# Altium PCB ImmPCB2.PCBDOC (part 3 of 4)
Units mm, origin at the board's own origin, x right, y up, seen from the top; angles counter-clockwise.
Board outline 140.04 x 97 mm, 4 copper layers (Top Layer, InternalPlane1, InternalPlane2, Bottom Layer); 374 components, 334 nets, 1652 pads, 438 vias.
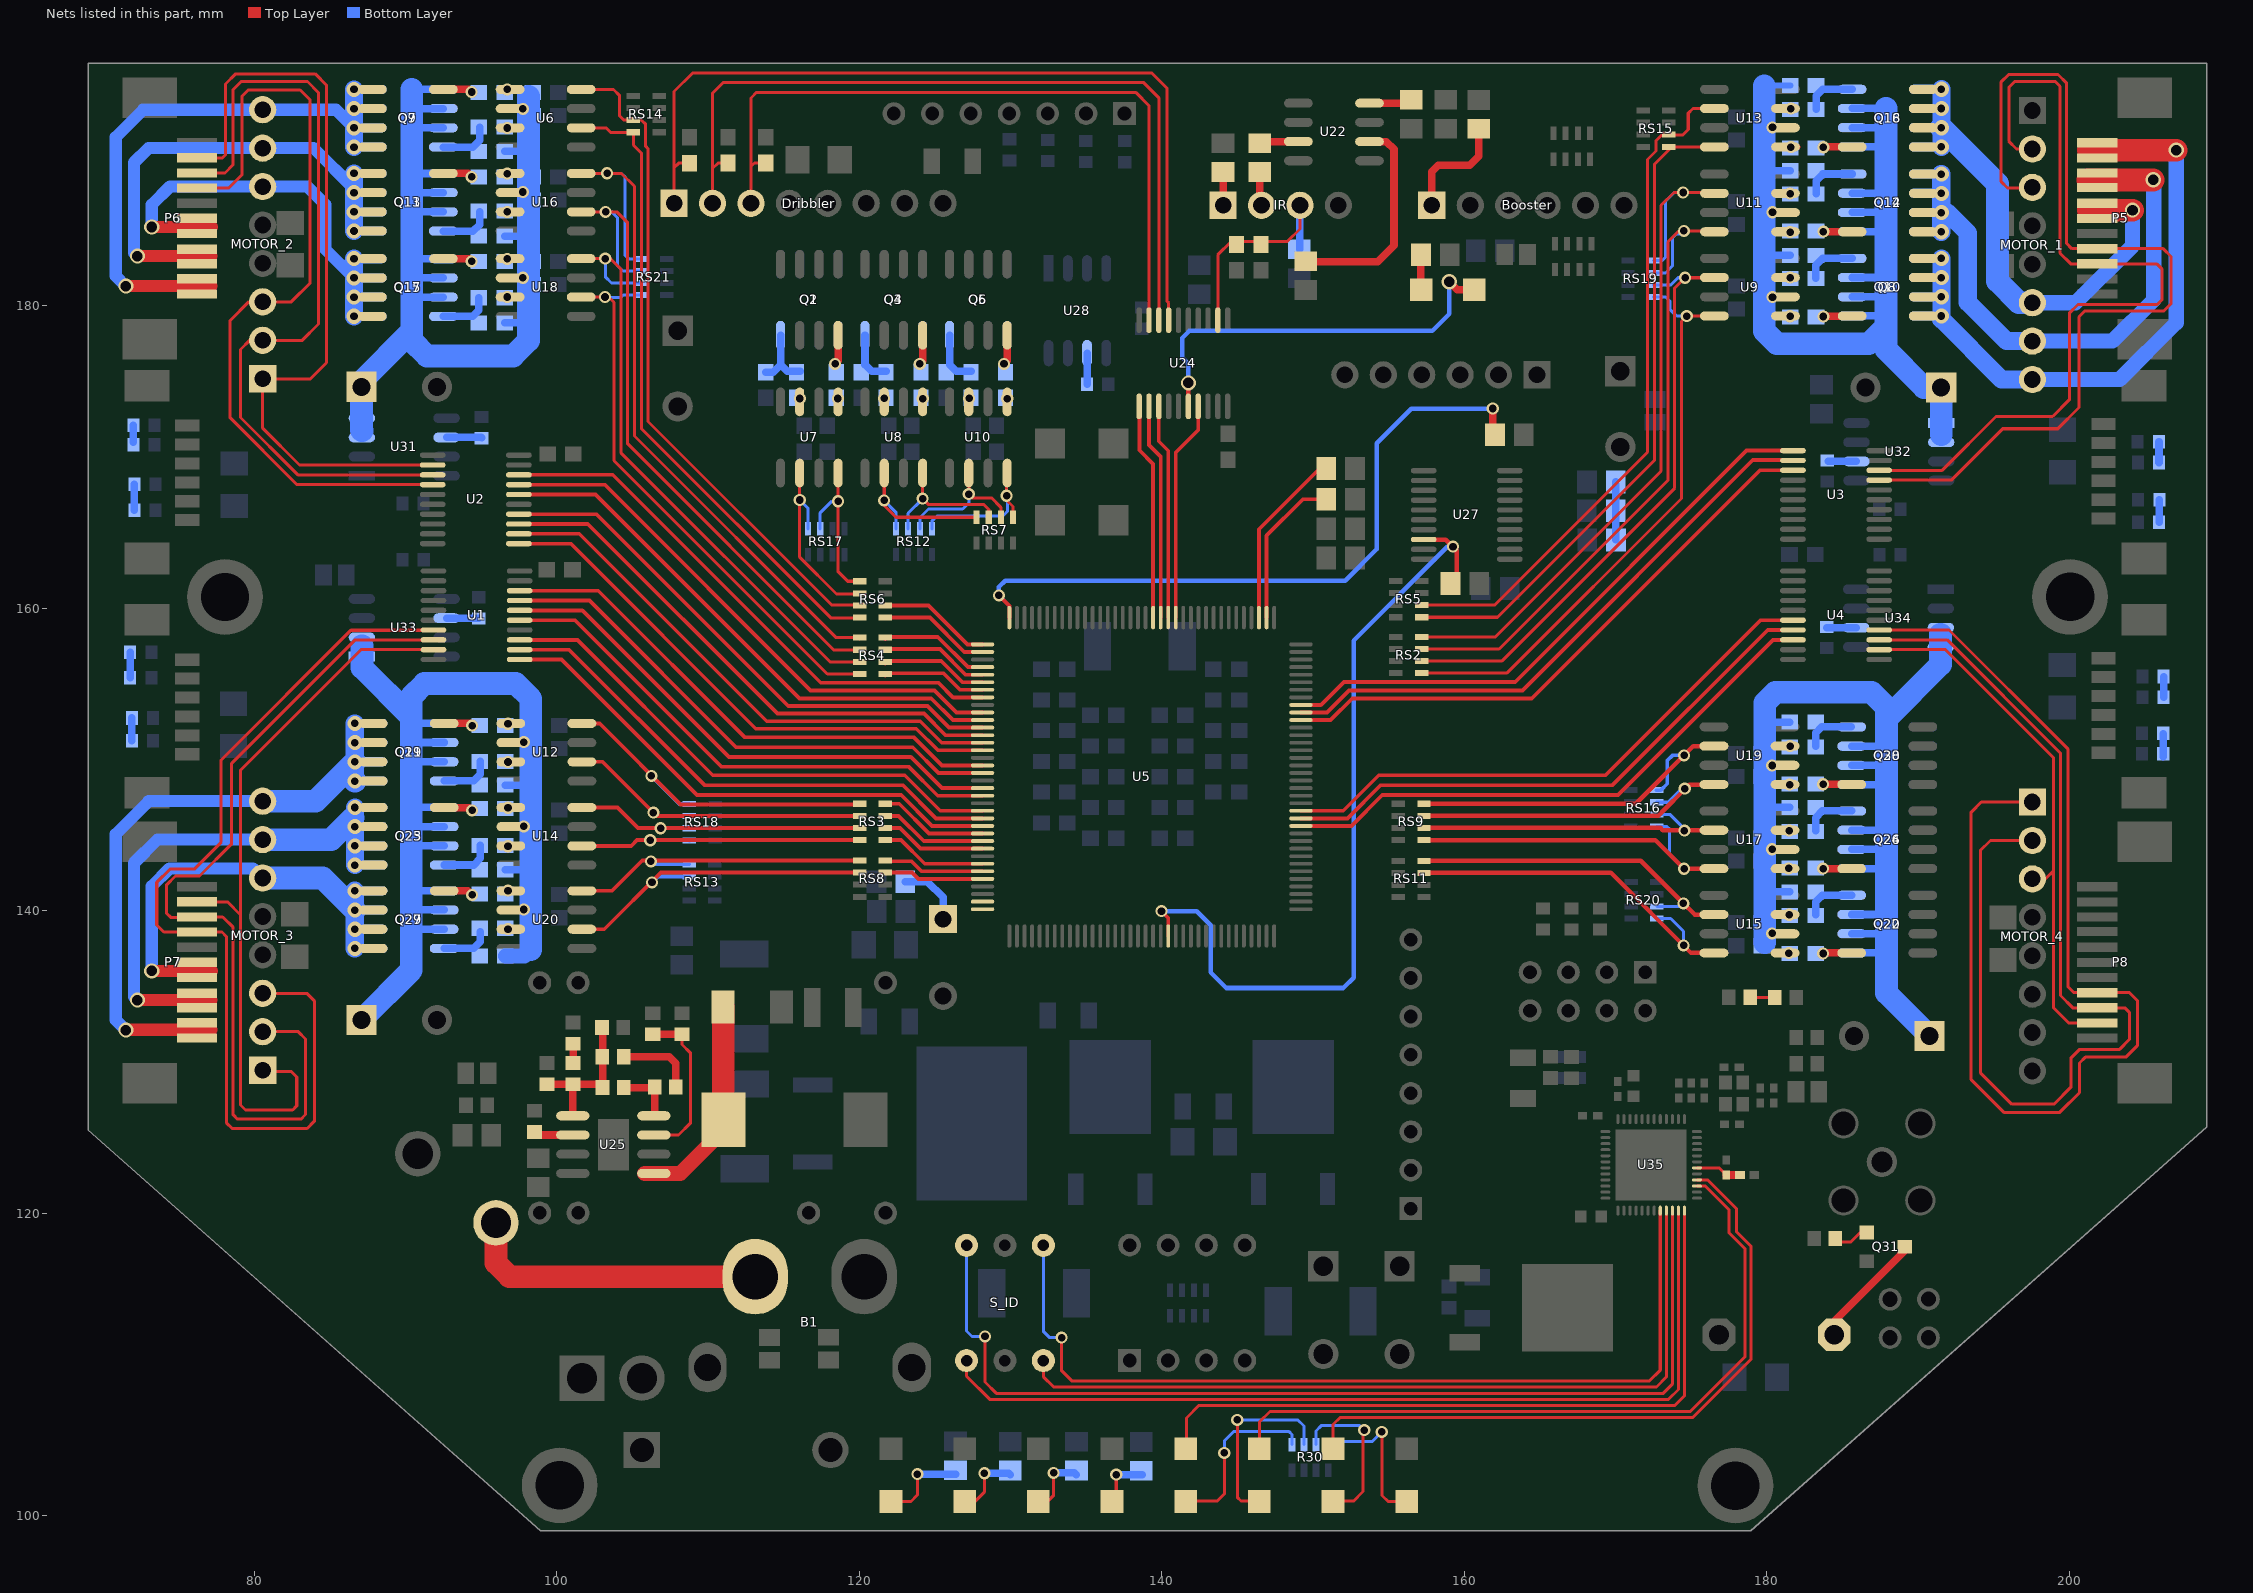
[diagram p5: the nets of this part, all layers, seen from the top]

## Via types
v1: diameter 0.8, hole 0.5, Top Layer to Bottom Layer, tented both sides, 205 vias
v2: diameter 1, hole 0.7, Top Layer to Bottom Layer, tented both sides, 103 vias
v3: diameter 1, hole 0.5, Top Layer to Bottom Layer, tented both sides, 60 vias
v4: diameter 0.9, hole 0.5, Top Layer to Bottom Layer, tented both sides, 38 vias
v5: diameter 0.66, hole 0.33, Top Layer to Bottom Layer, tented both sides, 22 vias
v6: diameter 1.5, hole 1, Top Layer to Bottom Layer, tented both sides, 5 vias
v7: diameter 1, hole 0.711, Top Layer to Bottom Layer, tented both sides, 5 vias

## Nets (pads, with @x,y where several pads share a name; then routed paths per layer and width w, separated by ;. In a path a pad name is that pad's centre, name@x,y a point inside that pad or via, vN(x,y) a via of type N, cw(c..) or ccw(c..) an arc to the next point about the centre after c; other vN are vias at no path point) (continued)
H1_1(3.3): U3.11 U5.100 | length 39.5
  Top Layer w0.25: U5.100@149.209,153.594 150.524,153.594 152.045,155.115 163.375,155.115 178.665,170.405 U3.11@181.73,170.405
H1_2: MOTOR_1.2 P5.3 U3.8 | length 56
  Top Layer w0.2: U3.8@187.43,169.105 191.595,169.105 195.15,172.66 198.9,172.66 200,173.76 200,179.49 200.58,180.07 205.81,180.07 206.14,180.4 206.14,182.39 205.778,182.752 P5.3@201.85,182.752 200.088,182.752 199.38,183.46 199.38,194.49 199.05,194.82 196.41,194.82 196,194.41 196,190.86 196.515,190.345 MOTOR_1.2@197.56,190.345
H1_2(3.3): U3.12 U5.99 | length 39.5
  Top Layer w0.25: U5.99@149.209,153.094 150.922,153.094 152.383,154.555 163.845,154.555 179.08,169.79 181.695,169.79 U3.12@181.73,169.755
H1_3: MOTOR_1.3 P5.4 U3.7 | length 62.2
  Top Layer w0.2: U3.7@187.43,168.455 192.205,168.455 195.6,171.85 199.24,171.85 200.64,173.25 200.64,179.25 201.01,179.62 206.23,179.62 206.72,180.11 206.72,183.24 206.208,183.752 P5.4@201.85,183.752 200.168,183.752 199.83,184.09 199.83,194.69 199.25,195.27 195.99,195.27 195.5,194.78 195.5,188.18 195.91,187.77 197.525,187.77 MOTOR_1.3@197.56,187.805
H1_3(3.3): U3.13 U5.98 | length 39.4
  Top Layer w0.25: U5.98@149.209,152.594 151.172,152.594 152.598,154.02 164.47,154.02 179.555,169.105 U3.13@181.73,169.105
H2_1: MOTOR_2.1 P6.2 U2.2 | length 52.4
  Top Layer w0.2: P6.2@76.23,189.76 77.92,189.76 78.12,189.96 78.12,194.64 78.79,195.31 84.04,195.31 84.79,194.56 84.79,176.22 83.7,175.13 MOTOR_2.1@80.64,175.13 ; MOTOR_2.1@80.57,175.16 80.57,171.89 83.005,169.455 U2.2@91.81,169.455
H2_1(3.3): U2.18 U5.8 | length 36.7
  Top Layer w0.25: U2.18@97.51,168.805 103.711,168.805 117.461,155.055 125.255,155.055 126.216,154.094 U5.8@128.159,154.094
H2_2: MOTOR_2.2 P6.3 U2.3 | length 53.7
  Top Layer w0.2: P6.3@76.23,188.76 78.08,188.76 78.6,189.28 78.6,194.25 79.15,194.8 83.53,194.8 84.26,194.07 84.26,178.77 83.16,177.67 MOTOR_2.2@80.57,177.67 ; MOTOR_2.2@80.57,177.7 79.71,177.7 79.1,177.09 79.1,172.6 82.895,168.805 U2.3@91.81,168.805
H2_2(3.3): U2.17 U5.10 | length 36.9
  Top Layer w0.25: U2.17@97.51,168.155 103.185,168.155 116.785,154.555 124.985,154.555 126.446,153.094 U5.10@128.159,153.094
H2_3: MOTOR_2.3 P6.4 U2.4 | length 53.5
  Top Layer w0.2: P6.4@76.23,187.76 78.33,187.76 79.21,188.64 79.21,193.84 79.61,194.24 83.05,194.24 83.71,193.58 83.71,181.48 82.47,180.24 MOTOR_2.3@80.57,180.24 79.66,180.24 78.42,179 78.42,172.57 82.835,168.155 U2.4@91.81,168.155
H2_3(3.3): U2.16 U5.11 | length 36.8
  Top Layer w0.25: U2.16@97.51,167.505 102.575,167.505 116.06,154.02 124.77,154.02 126.196,152.594 U5.11@128.159,152.594
H3_1: MOTOR_3.1 P7.2 U1.9 | length 49.7
  Top Layer w0.2: P7.2@76.23,140.58 78.24,140.58 79.11,139.71 ; MOTOR_3.1@80.57,129.45 80.65,129.37 82.45,129.37 82.824,128.996 82.824,127.089 82.555,126.82 79.43,126.82 79.11,127.14 79.11,139.71 ; U1.9@91.86,157.245 87.075,157.245 79.11,149.28 79.11,139.71
H3_1(3.3): U1.11 U5.25 | length 35.2
  Top Layer w0.25: U1.11@97.56,156.595 100.325,156.595 109.28,147.64 122.78,147.64 124.826,145.594 U5.25@128.159,145.594
H3_2: MOTOR_3.2 P7.3 U1.8 | length 59.6
  Top Layer w0.2: MOTOR_3.2@80.57,131.99 82.93,131.99 83.41,131.51 83.41,126.52 83.1,126.21 78.91,126.21 78.62,126.5 78.62,138.89 77.93,139.58 P7.3@76.23,139.58 76.2,139.55 74.49,139.55 74.2,139.84 74.2,141.675 74.815,142.29 76.4,142.29 78.52,144.41 78.52,149.73 86.685,157.895 U1.8@91.86,157.895
H3_2(3.3): U1.12 U5.24 | length 35.2
  Top Layer w0.25: U1.12@97.56,157.245 100.825,157.245 109.78,148.29 122.89,148.29 125.086,146.094 U5.24@128.159,146.094
H3_3: MOTOR_3.3 P7.4 U1.7 | length 66.2
  Top Layer w0.2: MOTOR_3.3@80.57,134.53 83.49,134.53 83.99,134.03 83.99,126.07 83.51,125.59 78.56,125.59 78.17,125.98 78.17,138.29 77.88,138.58 P7.4@76.23,138.58 74.04,138.58 73.57,139.05 73.57,141.87 74.44,142.74 76.05,142.74 77.83,144.52 77.83,149.96 86.4,158.53 91.845,158.53 U1.7@91.86,158.545
H3_3(3.3): U1.13 U5.23 | length 35.3
  Top Layer w0.25: U1.13@97.56,157.895 101.375,157.895 110.33,148.94 123.02,148.94 125.366,146.594 U5.23@128.159,146.594
H4_1: MOTOR_4.3 P8.2 U4.2 | length 36
  Top Layer w0.2: U4.2@187.43,157.245 191.815,157.245 198.97,150.09 198.97,142.64 ; MOTOR_4.3@197.56,142.095 198.425,142.095 198.97,142.64 ; P8.2@201.85,132.572 199.958,132.572 198.97,133.56 198.97,142.64
H4_1(3.3): U4.18 U5.84 | length 37.6
  Top Layer w0.25: U5.84@149.209,145.594 152.542,145.594 154.588,147.64 170.16,147.64 180.415,157.895 U4.18@181.73,157.895
H4_2: MOTOR_4.2 P8.3 U4.3 | length 69.9
  Top Layer w0.2: U4.3@187.43,157.895 191.925,157.895 199.42,150.4 199.42,134.38 200.228,133.572 P8.3@201.85,133.572 203.668,133.572 203.97,133.27 203.97,131.47 203.33,130.83 200.69,130.83 200.1,130.24 200.1,128.316 198.984,127.2 196.2,127.2 194.12,129.28 194.12,143.97 194.785,144.635 MOTOR_4.2@197.56,144.635
H4_2(3.3): U4.17 U5.85 | length 37.7
  Top Layer w0.25: U5.85@149.209,146.094 152.282,146.094 154.478,148.29 169.81,148.29 180.065,158.545 U4.17@181.73,158.545
H4_3: MOTOR_4.1 P8.4 U4.4 | length 76.3
  Top Layer w0.2: U4.4@187.43,158.545 192.045,158.545 199.9,150.69 199.9,134.98 200.308,134.572 P8.4@201.85,134.572 203.978,134.572 204.5,134.05 204.5,131.07 203.74,130.31 201.06,130.31 200.67,129.92 200.67,127.96 199.37,126.66 195.67,126.66 193.51,128.82 193.51,146.5 194.185,147.175 MOTOR_4.1@197.56,147.175
H4_3(3.3): U4.16 U5.86 | length 37.7
  Top Layer w0.25: U5.86@149.209,146.594 152.002,146.594 154.348,148.94 169.34,148.94 179.595,159.195 U4.16@181.73,159.195
HD_1: Dribbler.1 R40.2 U24.7 | length 57.5
  Top Layer w0.2: Dribbler.1@107.77,186.75 107.77,189.11 ; R40.2@108.79,189.41 108.07,189.41 107.77,189.11 ; U24.7@140.465,179.03 140.465,180.175 140.34,180.3 140.34,194.38 139.36,195.36 108.98,195.36 107.77,194.15 107.77,189.11
  Bottom Layer w0.5: Dribbler.1@107.75,186.77 Dribbler.1@107.77,186.75
HD_1(3.3): U5.123 U24.13 | length 14.2
  Top Layer w0.25: U24.13@139.815,173.33 139.81,173.325 139.81,171.02 140.434,170.396 U5.123@140.434,159.369
HD_2: Dribbler.2 R41.2 U24.8 | length 53.4
  Top Layer w0.2: Dribbler.2@110.31,186.75 110.31,189.05 ; R41.2@111.34,189.42 110.68,189.42 110.31,189.05 ; U24.8@139.815,179.03 139.815,193.725 138.79,194.75 111.03,194.75 110.31,194.03 110.31,190.52 110.31,189.05
  Bottom Layer w0.5: Dribbler.2@110.31,186.75 Dribbler.2@110.35,186.79
HD_2(3.3): U5.124 U24.12 | length 14.3
  Top Layer w0.25: U24.12@139.165,173.33 139.165,170.785 139.934,170.016 U5.124@139.934,159.369
HD_3: Dribbler.3 R42.2 U24.9 | length 49.1
  Top Layer w0.2: Dribbler.3@112.85,186.75 112.85,189.19 ; R42.2@113.83,189.42 113.08,189.42 112.85,189.19 ; U24.9@139.165,179.03 139.165,193.205 138.28,194.09 113.22,194.09 112.85,193.72 112.85,189.19
  Bottom Layer w0.5: Dribbler.3@112.85,186.75 Dribbler.3@112.89,186.79
HD_3(3.3): U5.125 U24.11 | length 14.3
  Top Layer w0.25: U24.11@138.53,173.33 138.53,170.43 139.434,169.526 U5.125@139.434,159.369
ID0: S_ID.1 U35.23 | length 60.8
  Top Layer w0.2: S_ID.1@127.1,110.25 127.1,109.22 128.63,107.69 173.51,107.69 174.16,108.34 U35.23@174.16,120.165
ID1: S_ID.4 U35.20 | length 59.9
  Top Layer w0.2: v1(133.39,111.77) 133.39,109.57 134.05,108.91 172.25,108.91 172.96,109.62 U35.20@172.96,120.165
  Bottom Layer w0.2: S_ID.4@132.18,117.87 132.18,112.19 132.6,111.77 v1(133.39,111.77)
ID2: S_ID.3 U35.21 | length 53.8
  Top Layer w0.2: S_ID.3@132.18,110.25 132.18,109.19 132.86,108.51 172.71,108.51 173.36,109.16 U35.21@173.36,120.165
ID3: S_ID.6 U35.22 | length 67.5
  Top Layer w0.2: v1(128.32,111.85) 128.32,108.84 129.07,108.09 173.16,108.09 173.76,108.69 U35.22@173.76,120.165
  Bottom Layer w0.2: S_ID.6@127.1,117.87 127.1,112.21 127.46,111.85 v1(128.32,111.85)
INIT_B: R32.2 U5.58 U27.8 | length 55.1
  Top Layer w0.25: v1(139.99,139.96) 140.434,139.516 U5.58@140.434,138.319
  Top Layer w0.3: U27.8@157.32,164.52 158.78,164.52 159.494,163.806 R32.2@159.494,161.3
  Bottom Layer w0.3: v1(139.99,139.96) 142.31,139.96 143.25,139.02 143.25,135.91 144.28,134.88 152.01,134.88 152.69,135.56 152.69,157.85 158.88,164.04 v1@159.26,164.04
  other v1: 159.26,164.06
IR_REC: C64.2 IR.3 R55.1 R93.2 U24.2 | length 14.9
  Top Layer w0.2: U24.2@143.715,179.03 143.715,183.345 144.6,184.23 148.31,184.23 149.142,185.062 IR.3@149.142,186.62
  Bottom Layer w0.5: R55.1@149.142,183.71 IR.3@149.142,186.62
KICKER_READY(3.3): U5.122 U24.17 | length 14.6
  Top Layer w0.25: U5.122@140.934,159.369 140.934,170.284 142.415,171.765 U24.17@142.415,173.33
L_IO1: RS6.3 U5.1 | length 7.5
  Top Layer w0.25: RS6.3@121.741,160.17 124.58,160.17 127.156,157.594 U5.1@128.159,157.594
L_IO2: RS6.1 U5.2 | length 7.4
  Top Layer w0.25: RS6.1@121.741,159.37 124.68,159.37 126.956,157.094 U5.2@128.159,157.094
L_IO3: RS4.7 U5.4 | length 7.3
  Top Layer w0.25: RS4.7@121.731,157.94 121.881,158.09 125.2,158.09 127.196,156.094 U5.4@128.159,156.094
L_IO4: RS4.5 U5.5 | length 7.2
  Top Layer w0.25: RS4.5@121.731,157.14 121.881,157.29 125.34,157.29 127.036,155.594 U5.5@128.159,155.594
L_IO5: RS4.3 U5.6 | length 7.1
  Top Layer w0.25: RS4.3@121.731,156.34 121.891,156.5 125.43,156.5 126.836,155.094 U5.6@128.159,155.094
L_IO6: RS4.1 U5.7 | length 6.9
  Top Layer w0.25: RS4.1@121.731,155.54 121.881,155.69 125.57,155.69 126.666,154.594 U5.7@128.159,154.594
L_IO10: U2.14 U5.12 | length 36.5
  Top Layer w0.25: U2.14@97.51,166.205 102.625,166.205 115.31,153.52 124.52,153.52 125.946,152.094 U5.12@128.159,152.094
L_IO11: U2.13 U5.13 | length 36.4
  Top Layer w0.25: U2.13@97.51,165.555 102.065,165.555 114.6,153.02 124.29,153.02 125.716,151.594 U5.13@128.159,151.594
L_IO12: U2.12 U5.14 | length 36.4
  Top Layer w0.25: U2.12@97.51,164.905 101.505,164.905 113.89,152.52 124.04,152.52 125.466,151.094 U5.14@128.159,151.094
L_IO13: U2.11 U5.15 | length 36.3
  Top Layer w0.25: U2.11@97.51,164.255 100.935,164.255 113.17,152.02 123.78,152.02 125.206,150.594 U5.15@128.159,150.594
L_IO14: U1.18 U5.17 | length 35.4
  Top Layer w0.25: U1.18@97.56,161.145 102.755,161.145 112.45,151.45 123.62,151.45 125.476,149.594 U5.17@128.159,149.594
L_IO15: U1.17 U5.18 | length 35.3
  Top Layer w0.25: U1.17@97.56,160.495 102.175,160.495 111.87,150.8 123.54,150.8 125.246,149.094 U5.18@128.159,149.094
L_IO16: U1.16 U5.20 | length 35.5
  Top Layer w0.25: U1.16@97.56,159.845 101.705,159.845 111.4,150.15 123.42,150.15 125.476,148.094 U5.20@128.159,148.094
L_IO17: U1.15 U5.21 | length 35.4
  Top Layer w0.25: U1.15@97.56,159.195 101.225,159.195 110.92,149.5 123.29,149.5 125.196,147.594 U5.21@128.159,147.594
L_IO21: RS3.2 U5.26 | length 7.2
  Top Layer w0.25: RS3.2@121.731,147.06 122.653,147.06 124.619,145.094 U5.26@128.159,145.094
L_IO22: RS3.4 U5.27 | length 7.1
  Top Layer w0.25: RS3.4@121.731,146.26 122.61,146.26 124.276,144.594 U5.27@128.159,144.594
L_IO23: RS3.6 U5.28 | length 7
  Top Layer w0.25: RS3.6@121.731,145.46 122.7,145.46 124.066,144.094 U5.28@128.159,144.094
L_IO24: RS3.8 U5.30 | length 7.1
  Top Layer w0.25: RS3.8@121.731,144.66 122.77,144.66 124.336,143.094 U5.30@128.159,143.094
L_IO25: RS8.2 U5.31 | length 6.7
  Top Layer w0.25: RS8.2@121.731,143.31 121.781,143.26 123.46,143.26 124.126,142.594 U5.31@128.159,142.594
L_IO26: RS8.4 U5.32 | length 6.6
  Top Layer w0.25: RS8.4@121.731,142.51 123.503,142.51 123.919,142.094 U5.32@128.159,142.094
L_IO28: U5.35
L_IO29: U5.36
LED1: D_D_1.1 U35.24 | length 47.8
  Top Layer w0.2: D_D_1.1@141.64,104.47 141.64,106.46 142.47,107.29 173.93,107.29 174.56,107.92 U35.24@174.56,120.165
LED2: D_D_2.1 U35.27 | length 48.5
  Top Layer w0.2: D_D_2.1@146.47,104.47 146.47,106.2 147.16,106.89 174.949,106.89 178.55,110.491 178.55,117.654 177.51,118.694 177.51,120.221 175.941,121.79 U35.27@175.385,121.79
LED3: D_D_3.1 U35.28 | length 44.7
  Top Layer w0.2: D_D_3.1@151.33,104.46 151.33,106.02 151.8,106.49 175.114,106.49 178.95,110.326 178.95,117.82 177.99,118.78 177.99,120.307 176.107,122.19 U35.28@175.385,122.19
M1_1: RS2.6 RS19.5 U9.2 | length 39.9
  Top Layer w0.2: RS2.6@157.181,156.49 162.48,156.49 173.916,167.926 173.916,181.148 v1(174.601,181.833) U9.2@176.54,181.833
  Bottom Layer w0.2: RS19.5@172.531,181.36 173.66,181.36 174.133,181.833 v1(174.601,181.833)
M1_2: RS2.8 RS19.7 U9.4 | length 39
  Top Layer w0.2: RS2.8@157.181,155.69 162.81,155.69 174.366,167.246 174.366,178.948 v1(174.711,179.293) U9.4@176.54,179.293
  Bottom Layer w0.2: RS19.7@172.531,180.56 173.33,180.56 173.59,180.3 173.59,179.756 174.053,179.293 v1(174.711,179.293)
M1_3: RS2.2 RS19.1 U11.2 | length 47.8
  Top Layer w0.2: RS2.2@157.181,158.09 162.06,158.09 173.016,169.046 173.016,186.618 173.867,187.469 v1(174.47,187.469) U11.2@176.54,187.469
  Bottom Layer w0.2: RS19.1@172.531,182.96 173.08,182.96 173.32,183.2 173.32,186.91 173.879,187.469 v1(174.47,187.469)
M1_4: RS2.4 RS19.3 U11.4 | length 44.2
  Top Layer w0.2: RS2.4@157.181,157.29 162.31,157.29 173.466,168.446 173.466,184.208 174.187,184.929 v1(174.52,184.929) U11.4@176.54,184.929
  Bottom Layer w0.2: RS19.3@172.566,182.15 173.3,182.15 173.76,182.61 173.76,184.46 174.04,184.74 174.331,184.74 v1(174.52,184.929)
M1_5: RS5.6 RS15.3 U13.2 | length 45.3
  Top Layer w0.2: RS5.6@157.181,160.19 162,160.19 172.116,170.306 172.116,189.646 172.68,190.21 172.68,190.89 173.07,191.28 174.46,191.28 174.81,191.63 174.81,192.71 175.121,193.021 U13.2@176.54,193.021
M1_6: RS5.8 RS15.1 U13.4 | length 43.7
  Top Layer w0.2: RS5.8@157.181,159.39 162.2,159.39 172.566,169.756 172.566,189.318 173.729,190.481 U13.4@176.54,190.481
M1R_12: C40.2 C41.2 C44.2 C45.2 C48.2 C49.2 C_M1.1 Q8.1 Q8.2 Q8.3 Q12.1 Q12.2 Q12.3 Q16.1 Q16.2 Q16.3 R137.1 R139.1 R141.1 U9.6 U11.6 U13.6 U32.1 U32.2 | length 74.4
  Bottom Layer w0.4: 179.83,194.53 R141.1@181.558,194.53
  Bottom Layer w0.5: 179.702,183.314 R137.1@181.558,183.314 ; 179.702,188.902 R139.1@181.558,188.902 ; Q8.1@185.641,179.309 187.88,179.309 ; Q8.2@185.641,180.579 187.88,180.579 ; Q8.3@185.641,181.849 187.88,181.849 ; Q12.1@185.641,184.887 187.88,184.887 ; Q12.2@185.641,186.157 187.88,186.157 ; Q12.3@185.641,187.427 187.88,187.427 ; Q16.1@185.641,190.489 187.88,190.489 ; Q16.2@185.641,191.759 187.88,191.759 ; Q16.3@185.641,193.029 187.88,193.029
  Bottom Layer w1.5: 179.83,194.53 179.83,178.31 180.67,177.47 186.75,177.47 187.88,178.6 ; 187.88,193.019 187.88,191.759 187.88,190.489 187.88,187.427 187.88,186.157 187.88,184.887 187.88,181.849 187.88,180.579 187.88,179.309 187.88,178.6 ; 191.53,171.46 C_M1.1@191.53,174.58 190.4,174.58 187.88,177.1 187.88,178.6
  other v1: 180.38,180.55 180.38,186.16 180.38,191.77
M2_1: RS6.2 RS14.7 U6.2 | length 43
  Top Layer w0.2: U6.2@101.626,191.743 103.267,191.743 103.56,191.45 RS14.7@105.079,191.45 105.079,190.601 105.6,190.08 105.6,171.87 118.12,159.35 RS6.2@120.039,159.35
M2_2: RS6.4 RS14.5 U6.4 | length 44.7
  Top Layer w0.2: U6.4@101.626,194.283 103.767,194.283 104.15,193.9 104.15,192.56 104.46,192.25 105.62,192.25 105.89,191.98 105.89,190.52 106.05,190.36 106.05,172.33 118.17,160.21 RS6.4@120.039,160.21
M2_3: RS4.6 RS21.4 U16.2 | length 44.8
  Top Layer w0.2: U16.2@101.626,186.191 103.979,186.191 104.7,185.47 104.7,170.85 118.31,157.24 RS4.6@120.029,157.24
  Bottom Layer w0.2: v1(103.24,186.19) 103.65,186.19 104.02,185.82 104.02,182.64 104.38,182.28 RS21.4@105.589,182.28
M2_4: RS4.8 RS21.2 U16.4 | length 48.6
  Top Layer w0.2: U16.4@101.626,188.731 104.299,188.731 105.15,187.88 105.15,171.37 118.48,158.04 RS4.8@120.029,158.04 ; RS4.8@119.879,158.1 RS4.8@120.029,157.95
  Bottom Layer w0.2: v1(103.34,188.74) 103.349,188.731 104.299,188.731 104.51,188.52 104.51,183.35 104.78,183.08 RS21.2@105.589,183.08
M2_5: RS4.2 RS21.8 U18.2 | length 37.3
  Top Layer w0.2: U18.2@101.626,180.555 103.455,180.555 103.8,180.21 103.8,169.74 117.9,155.64 RS4.2@120.029,155.64
  Bottom Layer w0.2: v1@103.22,180.54 104.24,180.54 104.38,180.68 RS21.8@105.589,180.68
  other v1: 103.2,180.56
M2_6: RS4.4 RS21.6 U18.4 | length 40.3
  Top Layer w0.2: U18.4@101.626,183.095 103.565,183.095 104.25,182.41 104.25,170.27 118.08,156.44 RS4.4@120.029,156.44
  Bottom Layer w0.2: v1@103.22,183.095 103.22,181.89 103.63,181.48 RS21.6@105.589,181.48
  other v1: 103.22,183.1
M2R_12: C30.2 C32.2 C42.2 C43.2 C46.2 C47.2 C_M2.1 Q7.1 Q7.2 Q7.3 Q11.1 Q11.2 Q11.3 Q15.1 Q15.2 Q15.3 R136.1 R138.1 R140.1 U6.6 U16.6 U18.6 U31.3 U31.4 | length 73.6
  Bottom Layer w0.5: 90.43,194.285 Q7.1@92.52,194.285 ; 90.431,180.55 Q15.3@92.52,180.55 ; 90.431,181.82 Q15.2@92.52,181.82 ; 90.431,183.09 Q15.1@92.52,183.09 ; 90.431,186.186 Q11.3@92.52,186.186 ; 90.431,187.456 Q11.2@92.52,187.456 ; 90.431,188.726 Q11.1@92.52,188.726 ; 90.431,191.745 Q7.3@92.52,191.745 ; 90.431,193.015 Q7.2@92.52,193.015 ; R140.1@96.564,178.844 98.386,178.844 ; R138.1@96.564,184.582 98.418,184.582 ; R136.1@96.564,190.19 98.4,190.19
  Bottom Layer w1.5: 87.14,171.73 87.1,171.77 C_M2.1@87.1,174.62 87.1,174.98 90.43,178.31 ; 90.43,194.285 90.43,178.31 ; C30.2@98.15,193.814 98.15,177.68 97.13,176.66 91.44,176.66 90.43,177.67 90.43,178.31
  other v1: 97.77,181.83 97.77,187.5 97.77,193
M3_1: RS3.7 RS18.1 U14.2 | length 21.1
  Top Layer w0.25: U14.2@101.676,144.275 104.935,144.275 105.32,144.66 RS3.7@120.029,144.66
  Bottom Layer w0.25: v1(106.19,144.65) 108.769,144.65 RS18.1@108.779,144.64
M3_2: RS3.5 RS18.3 U14.4 | length 20.8
  Top Layer w0.25: U14.4@101.676,146.815 104.025,146.815 105.38,145.46 RS3.5@120.029,145.46
  Bottom Layer w0.25: v1(106.88,145.44) RS18.3@108.779,145.44
M3_3: RS8.3 RS13.5 U20.2 | length 22.6
  Top Layer w0.25: U20.2@101.65,138.77 U20.2@101.676,138.77 ; U20.2@101.676,138.765 103.155,138.765 106.9,142.51 RS8.3@120.029,142.51
  Bottom Layer w0.25: v1(106.31,141.86) 106.71,142.26 RS13.5@108.769,142.26
M3_4: RS8.1 RS13.7 U20.4 | length 21.8
  Top Layer w0.25: U20.4@101.676,141.305 103.665,141.305 105.67,143.31 RS8.1@120.029,143.31
  Bottom Layer w0.25: v1(106.24,143.25) 106.43,143.06 RS13.7@108.769,143.06
M3_5: RS3.3 RS18.5 U12.2 | length 22.3
  Top Layer w0.25: U12.2@101.676,149.831 103.049,149.831 106.62,146.26 RS3.3@120.029,146.26
  Bottom Layer w0.25: v1(106.4,146.48) 106.43,146.48 106.67,146.24 RS18.5@108.779,146.24
M3_6: RS3.1 RS18.7 U12.4 | length 23.9
  Top Layer w0.25: U12.4@101.676,152.371 102.849,152.371 108.2,147.02 RS3.1@120.09,147.02
  Bottom Layer w0.25: v1(106.27,148.9) 108.13,147.04 RS18.7@108.779,147.04
M3R_12: C50.2 C51.2 C54.2 C55.2 C58.2 C59.2 C_M3.1 Q19.1 Q19.2 Q19.3 Q23.1 Q23.2 Q23.3 Q27.1 Q27.2 Q27.3 R142.1 R144.1 R146.1 U12.6 U14.6 U20.6 U33.1 U33.2 | length 79.5
  Bottom Layer w0.5: 90.39,140.043 Q27.2@92.569,140.043 ; 90.39,145.553 Q23.2@92.569,145.553 ; 90.39,151.111 Q19.2@92.569,151.111 ; 90.391,138.767 Q27.3@92.57,138.767 ; 90.391,141.307 Q27.1@92.57,141.307 ; 90.391,144.277 Q23.3@92.57,144.277 ; 90.391,146.817 Q23.1@92.57,146.817 ; 90.391,149.835 Q19.3@92.57,149.835 ; 90.391,152.375 Q19.1@92.57,152.375 ; R144.1@96.614,142.694 98.034,142.694 98.435,143.095 ; R142.1@96.614,148.292 98.016,148.292 98.457,148.733
  Bottom Layer w1: R146.1@96.614,136.986 97.872,136.986 98.3,137.414
  Bottom Layer w1.5: C_M3.1@87.1,132.77 90.39,136.06 90.39,140.043 90.39,145.553 90.39,151.111 90.39,152.81 ; 87.14,157.51 87.14,156.06 90.39,152.81 ; 98.3,137.414 98.3,154.01 97.3,155.01 91.26,155.01 90.39,154.14 90.39,152.81
  other v1: 97.83,140.07 97.83,145.57 97.83,151.14
M4_1: RS11.2 RS20.4 U15.2 | length 22.5
  Top Layer w0.3: RS11.2@157.341,143.29 171.68,143.29 v1(174.49,140.48) 175.233,139.737 U15.2@176.51,139.737
  Bottom Layer w0.2: RS20.4@172.731,140.28 174.29,140.28 v1(174.49,140.48)
M4_2: RS11.4 RS20.2 U15.4 | length 24.4
  Top Layer w0.3: RS11.4@157.341,142.49 169.7,142.49 174.993,137.197 U15.4@176.51,137.197
  Bottom Layer w0.2: RS20.2@172.731,139.48 173.65,139.48 174.5,138.63 v1(174.5,137.7)
M4_3: RS9.6 RS16.4 U17.2 | length 21.6
  Top Layer w0.3: RS9.6@157.341,145.46 172.98,145.46 173.133,145.307 U17.2@176.51,145.307
  Bottom Layer w0.2: RS16.4@172.721,146.36 173.59,146.36 174.55,145.4 v1(174.55,145.29)
M4_4: RS9.8 RS16.2 U17.4 | length 23.9
  Top Layer w0.3: RS9.8@157.341,144.66 172.64,144.66 v1(174.533,142.767) U17.4@176.51,142.767
  Bottom Layer w0.2: RS16.2@172.721,145.56 173.41,145.56 173.58,145.39 173.58,143.72 v1(174.533,142.767)
M4_5: RS9.2 RS16.8 U19.2 | length 24.4
  Top Layer w0.3: RS9.2@157.341,147.06 171.33,147.06 175.145,150.875 U19.2@176.51,150.875
  Bottom Layer w0.25: RS16.8@172.721,147.96 173,147.96 173.42,148.38 173.42,149.92 173.76,150.26 v1(174.54,150.26)
M4_6: RS9.4 RS16.6 U19.4 | length 22.3
  Top Layer w0.3: RS9.4@157.341,146.26 172.82,146.26 174.89,148.33 U19.4@176.505,148.33
  Top Layer w0.4: U19.4@176.505,148.33 U19.4@176.51,148.335
  Bottom Layer w0.2: RS16.6@172.721,147.16 173.48,147.16 174.38,148.06 v1(174.58,148.06)
M4R_12: C52.2 C53.2 C56.2 C57.2 C60.2 C61.2 C_M4.1 Q20.1 Q20.2 Q20.3 Q24.1 Q24.2 Q24.3 Q28.1 Q28.2 Q28.3 R143.1 R145.1 R147.1 U15.6 U17.6 U19.6 U34.3 U34.4 | length 80.7
  Bottom Layer w0.5: 179.672,152.46 R147.1@181.528,152.46 ; 179.694,146.822 R145.1@181.528,146.822 ; 179.718,141.234 R143.1@181.528,141.234 ; Q28.1@185.616,148.323 187.91,148.323 ; Q28.2@185.616,149.593 187.91,149.593 ; Q28.3@185.616,150.859 187.91,150.859 ; Q20.1@185.62,137.203 187.91,137.203 187.914,137.203 ; Q20.2@185.62,138.473 187.914,138.473 ; Q20.3@185.62,139.739 187.914,139.739 ; Q24.1@185.62,142.773 187.914,142.773 ; Q24.2@185.62,144.043 187.914,144.043 ; Q24.3@185.62,145.309 187.914,145.309
  Bottom Layer w1.5: C52.2@179.87,137.876 179.87,153.73 180.57,154.43 186.92,154.43 187.91,153.44 187.91,152.68 ; C_M4.1@190.76,131.7 187.91,134.55 187.91,137.203 187.91,148.323 187.91,149.593 187.91,150.859 187.91,152.68 ; 191.49,158.26 191.49,156.26 187.91,152.68
  other v1: 180.35,138.49 180.35,144.05 180.35,149.59
MD_1: RS7.3 RS12.5 U10.2 | length 9.5
  Top Layer w0.2: U10.2@127.249,168.925 v1(127.249,167.531) 127.5,167.28 128.75,167.28 129.37,166.66 RS7.3@129.37,166.001
  Top Layer w0.25: U10.2@127.249,168.925 U10.2@127.29,168.884
  Bottom Layer w0.2: RS12.5@124.03,165.241 124.03,165.98 124.59,166.54 126.85,166.54 127.249,166.939 v1(127.249,167.531)
MD_2: RS7.1 RS12.7 U10.4 | length 9.9
  Top Layer w0.2: U10.4@129.789,168.925 129.75,168.886 v1(129.75,167.42) 129.75,167.13 130.17,166.71 RS7.1@130.17,166.001
  Top Layer w0.25: U10.4@129.789,168.925 U10.4@129.789,168.925
  Bottom Layer w0.2: RS12.7@124.83,165.241 124.83,165.77 125.15,166.09 129.51,166.09 129.81,166.39 129.81,167.36 v1(129.75,167.42)
MD_3: RS7.7 RS12.1 U8.2 | length 10.8
  Top Layer w0.2: U8.2@121.661,168.925 121.661,166.779 122.439,166.001 RS7.7@127.77,166.001
  Bottom Layer w0.2: v1(121.65,167.12) 122.43,166.34 RS12.1@122.43,165.241
MD_4: RS7.5 RS12.3 U8.4 | length 9.3
  Top Layer w0.2: U8.4@124.201,168.925 v1(124.201,167.229) 124.6,166.83 128.25,166.83 128.57,166.51 RS7.5@128.57,166.001
  Bottom Layer w0.2: RS12.3@123.23,165.241 123.23,166.258 v1(124.201,167.229)
MD_5: RS6.6 RS17.8 U7.2 | length 12.7
  Top Layer w0.2: U7.2@116.073,168.925 v1(116.073,167.14) 116.073,163.357 118.51,160.92 119.989,160.92 RS6.6@120.039,160.97
  Bottom Layer w0.2: v1(116.073,167.14) 116.63,166.583 RS17.8@116.63,165.231
MD_6: RS6.8 RS17.6 U7.4 | length 10.8
  Top Layer w0.2: U7.4@118.613,168.925 v1(118.613,167.057) 118.613,162.397 119.24,161.77 RS6.8@120.039,161.77
  Bottom Layer w0.2: RS17.6@117.43,165.231 117.43,166.29 118.197,167.057 v1(118.613,167.057)
NetB1_1: B1.1 P4.1 | length 20.4
  Top Layer w1.5: P4.1@95.99,119.36 95.99,116.7 96.89,115.8 B1.1@113.36,115.8
NetBooster_1: Booster.1 R26.2 | length 7.6
  Top Layer w0.5: Booster.1@157.862,186.62 157.862,188.852 158.29,189.28 160.38,189.28 160.96,189.86 R26.2@160.96,191.68
NetC91_1: C91.1 R4.1 R5.1 R6.1 R7.2 U25.5 | length 9.4
  Top Layer w0.5: R7.2@99.37,128.52 C91.1@102.82,128.52 ; U25.5@101.071,126.435 R4.1@101.071,128.501 ; C91.1@103.04,128.3 R6.1@103.04,132.22
NetC91_2: C91.2 C93.2 U25.4 | length 3.9
  Top Layer w0.5: C91.2@104.44,128.3 C93.2@106.44,128.3 ; U25.4@106.48,126.486 C93.2@106.48,128.34
NetC92_2: C92.2 R4.2 | length 1.3
  Top Layer w0.5: R4.2@101.09,129.92 C92.2@101.09,131.19
NetC93_1: C93.1 R5.2 | length 5.2
  Top Layer w0.5: R5.2@104.43,130.34 107.46,130.34 107.88,129.92 C93.1@107.88,128.34
NetC94_1: C94.1 R10.2 | length 1.7
  Bottom Layer w0.5: R10.2@71.81,155.4 C94.1@71.81,157.08
NetC95_1: C95.1 R11.2 | length 1.5
  Bottom Layer w0.5: C95.1@205.94,165.68 205.95,165.69 R11.2@205.95,167.15
NetC96_1: C96.1 R12.2 | length 1.5
  Bottom Layer w0.5: R12.2@71.93,151.22 C96.1@71.93,152.73
NetC97_1: C97.1 R13.2 | length 1.4
  Bottom Layer w0.5: R13.2@205.92,171 205.93,170.99 C97.1@205.93,169.62
NetC98_1: C98.1 R14.2 | length 1.1
  Bottom Layer w0.5: R14.2@72.02,170.97 C98.1@72.02,172.07
NetC99_1: C99.1 R15.2 | length 1.5
  Bottom Layer w0.5: C99.1@206.21,150.18 R15.2@206.21,151.67
NetC100_1: C100.1 R16.2 | length 1.7
  Bottom Layer w0.5: R16.2@72.09,166.46 C100.1@72.09,168.19
NetC101_1: C101.1 R17.2 | length 1.4
  Bottom Layer w0.5: R17.2@206.23,155.47 206.23,154.12 C101.1@206.24,154.11
NetC112_1: C112.1 U28.6 | length 2.1
  Bottom Layer w0.5: C112.1@135.07,174.79 U28.6@135.07,176.85
NetC115_1: C115.1 U31.6 | length 2.3
  Bottom Layer w0.5: U31.6@92.73,171.28 95.03,171.28 C115.1@95.04,171.27
NetC116_1: C116.1 U32.6 | length 1.9
  Bottom Layer w0.5: C116.1@184.06,169.69 U32.6@185.93,169.69
NetC119_1: C119.1 U33.6 | length 2.1
  Bottom Layer w0.5: U33.6@92.73,159.33 94.83,159.33 C119.1@94.85,159.31
NetC121_1: C121.1 U34.6 | length 1.9
  Bottom Layer w0.5: C121.1@183.97,158.7 U34.6@185.91,158.7
NetC123_2: C123.2 L11.1 U35.30 | length 3
  Top Layer w0.2: U35.30@175.385,122.99 176.85,122.99 C123.2@177.32,122.52
  Top Layer w0.5: C123.2@177.32,122.52 L11.1@178.225,122.52
NetD1_2: D1.2 R1.1 | length 5.8
  Top Layer w0.2: D1.2@122.11,100.94 123.43,100.94 123.85,101.36 v1(123.85,102.75)
  Bottom Layer w0.5: v1(123.85,102.75) R1.1@126.37,102.75
NetD2_2: D2.2 R2.2 | length 4.1
  Top Layer w0.2: D2.2@131.91,100.96 132.48,100.96 132.86,101.34 v1(132.86,102.83)
  Bottom Layer w0.5: v1(132.86,102.83) 134.23,102.83 R2.2@134.35,102.71
NetD3_1: D3.1 L2.2 U25.1 | length 13.8
  Top Layer w1: U25.1@105.83,122.625 108.175,122.625 L2.2@111.03,125.48
  Top Layer w1.5: L2.2@111.015,126.175 D3.1@111.015,133.63
NetD4_1: D4.1 R25.2 | length 1.6
  Top Layer w0.2: R25.2@178.9,134.27 178.91,134.26 D4.1@180.54,134.26
NetD21_2: D21.2 R21.2 | length 3.6
  Top Layer w0.2: D21.2@136.81,100.93 136.998,101.118 v1(136.998,102.71)
  Bottom Layer w0.5: v1(136.998,102.71) R21.2@138.71,102.71
NetD24_2: D24.2 R24.2 | length 4.5
  Top Layer w0.2: D24.2@127.03,100.95 127.68,100.95 128.28,101.55 v1(128.28,102.8)
  Bottom Layer w0.5: v1(128.28,102.8) 129.88,102.8 R24.2@129.98,102.7
NetD_D_1_2: D_D_1.2 R30.1 | length 11.7
  Top Layer w0.2: D_D_1.2@141.64,100.97 143.68,100.97 144.14,101.43 v1(144.14,104.15)
  Bottom Layer w0.2: v1(144.14,104.15) 144.14,104.94 144.75,105.55 148.43,105.55 148.61,105.37 R30.1@148.61,104.7
NetD_D_2_2: D_D_2.2 R30.3 | length 12.5
  Top Layer w0.2: v1(145,106.33) 145,101.21 145.24,100.97 D_D_2.2@146.47,100.97
  Bottom Layer w0.2: v1(145,106.33) 149,106.33 149.41,105.92 R30.3@149.41,104.7
NetD_D_3_2: D_D_3.2 R30.5 | length 10.7
  Top Layer w0.2: D_D_3.2@151.33,100.96 152.68,100.96 153.31,101.59 v1@153.31,105.65
  Bottom Layer w0.2: R30.5@150.21,104.7 150.2,104.71 150.2,105.6 150.55,105.95 153.09,105.95 v1(153.39,105.65)
NetD_D_4_2: D_D_4.2 R30.7 | length 9.9
  Top Layer w0.2: v1@154.57,105.54 154.57,101.331 154.971,100.93 D_D_4.2@156.2,100.93
  Bottom Layer w0.2: R30.7@151.01,104.7 151.2,104.89 153.9,104.89 v1(154.55,105.54)
NetD_Done_1: D_Done.1 U24.16 | length 27
  Top Layer w0.3: U24.16@141.765,173.33 v2(141.765,174.885)
  Top Layer w0.5: v2(159.01,181.57) 159.55,181.03 D_Done.1@160.67,181.03
  Bottom Layer w0.3: v2(141.765,174.885) 141.765,176.145 141.36,176.55 141.36,177.85 141.84,178.33 157.9,178.33 159.01,179.44 v2(159.01,181.57)
NetD_Done_2: D_Done.2 R_done_led.2 | length 2.3
  Top Layer w0.5: D_Done.2@157.14,181.06 R_done_led.2@157.14,183.36
NetIR_1: IR.1 R44.1 | length 2.2
  Top Layer w0.5: IR.1@144.062,186.62 R44.1@144.062,188.808
NetIR_2: IR.2 R18.2 | length 2.1
  Top Layer w0.5: IR.2@146.49,186.732 R18.2@146.49,188.82
NetQ1_4: Q1.4 R47.2 R129.2 | length 4.6
  Bottom Layer w0.5: R129.2@113.83,175.594 114.324,175.594 114.81,176.08 ; Q1.4@114.81,178.03 114.81,176.08 ; R47.2@116.11,175.638 115.862,175.638 115.252,175.638 114.81,176.08
NetQ2_4: Q2.4 R48.2 | length 2
  Top Layer w0.5: v1@118.4,176.14 118.405,176.145 118.61,176.35 Q2.4@118.61,178.03
  other v1: 118.41,176.14
NetQ3_4: Q3.4 R49.2 R130.2 | length 3.5
  Bottom Layer w0.5: Q3.4@120.39,178.03 120.39,176.08 120.832,175.638 R49.2@121.788,175.638
NetQ4_4: Q4.4 R50.2 | length 2
  Top Layer w0.5: v1@124,176.13 v1(124.01,176.14) 124.2,176.33 Q4.4@124.201,178.031
NetQ5_4: Q5.4 R51.2 R135.2 | length 3.5
  Bottom Layer w0.5: Q5.4@125.98,178.03 125.98,176.08 126.422,175.638 R51.2@127.396,175.638
NetQ6_4: Q6.4 R52.2 | length 2
  Top Layer w0.5: v1@129.57,176.14 129.575,176.145 129.79,176.36 Q6.4@129.789,178.031
  other v1: 129.58,176.14
NetQ7_4: Q7.4 R59.2 R136.2 | length 3.4
  Bottom Layer w0.5: Q7.4@92.52,190.47 94.47,190.47 94.912,190.912 94.912,191.544 R59.2@94.912,191.77
NetQ8_4: Q8.4 R60.2 R137.2 | length 3.4
  Bottom Layer w0.5: R60.2@183.248,181.81 183.248,182.668 183.69,183.11 Q8.4@185.64,183.11
NetQ9_4: Q9.4 R61.2 | length 1.9
  Top Layer w0.5: Q9.4@92.52,194.28 94.2,194.28 94.375,194.105 v1@94.38,194.1
  other v1: 94.38,194.11
NetQ10_4: Q10.4 R62.2 | length 1.9
  Top Layer w0.5: v1@183.74,179.3 183.72,179.3 185.646,179.3 Q10.4@185.65,179.3
  other v1: 183.74,179.27
NetQ11_4: Q11.4 R65.2 R138.2 | length 3.4
  Bottom Layer w0.5: Q11.4@92.52,184.91 94.47,184.91 94.912,185.352 94.912,185.956 R65.2@94.912,186.21
NetQ12_4: Q12.4 R66.2 R139.2 | length 3.4
  Bottom Layer w0.5: R66.2@183.258,187.39 183.258,188.248 183.7,188.69 185.646,188.69 Q12.4@185.65,188.69
NetQ13_4: Q13.4 R67.2 | length 2
  Top Layer w0.5: Q13.4@92.52,188.73 94.16,188.73 v1@94.38,188.51
  other v1: 94.38,188.5
NetQ14_4: Q14.4 R68.2 | length 1.9
  Top Layer w0.5: v1@183.71,184.87 183.74,184.87 Q14.4@185.64,184.87
  other v1: 183.74,184.88
NetQ15_4: Q15.4 R71.2 R140.2 | length 3.3
  Bottom Layer w0.5: Q15.4@92.52,179.28 94.47,179.28 94.864,179.674 R71.2@94.864,180.508
NetQ16_4: Q16.4 R72.2 R141.2 | length 3.5
  Bottom Layer w0.5: R72.2@183.258,192.966 183.258,193.848 183.7,194.29 Q16.4@185.646,194.29
NetQ17_4: Q17.4 R73.2 | length 1.9
  Top Layer w0.5: Q17.4@92.52,183.09 94.21,183.09 v1(94.38,182.92)
NetQ18_4: Q18.4 R74.2 | length 1.9
  Top Layer w0.5: v1@183.72,190.48 v1@183.74,190.48 ; v1@183.76,190.48 Q18.4@185.65,190.48
  other v1: 183.74,190.46
NetQ19_4: Q19.4 R77.2 R142.2 | length 3.4
  Bottom Layer w0.5: Q19.4@92.57,148.57 94.52,148.57 94.962,149.012 94.962,149.686 R77.2@94.962,149.87
NetQ20_4: Q20.4 R78.2 R143.2 | length 3.4
  Bottom Layer w0.5: R78.2@183.228,139.71 183.228,140.568 183.67,141.01 Q20.4@185.62,141.01
NetQ21_4: Q21.4 R79.2 | length 1.9
  Top Layer w0.5: Q21.4@92.57,152.37 94.25,152.37 94.405,152.215 v1@94.42,152.2
  other v1: 94.42,152.23
NetQ22_4: Q22.4 R80.2 | length 2
  Top Layer w0.5: v1@183.73,137.2 183.69,137.2 185.616,137.2 Q22.4@185.62,137.2
  other v1: 183.73,137.16
NetQ23_4: Q23.4 R83.2 R144.2 | length 3.4
  Bottom Layer w0.5: Q23.4@92.57,143.01 94.52,143.01 94.962,143.452 94.962,144.098 R83.2@94.962,144.31
NetQ24_4: Q24.4 R84.2 R145.2 | length 3.4
  Bottom Layer w0.5: R84.2@183.228,145.29 183.228,145.298 183.228,146.148 183.67,146.59 Q24.4@185.62,146.59
NetQ25_4: Q25.4 R85.2 | length 1.9
  Top Layer w0.5: Q25.4@92.57,146.81 94.21,146.81 v1@94.41,146.61
  other v1: 94.42,146.62
NetQ26_4: Q26.4 R86.2 | length 1.9
  Top Layer w0.5: v1(183.73,142.77) 183.72,142.77 185.616,142.77 Q26.4@185.62,142.77
NetQ27_4: Q27.4 R89.2 R146.2 | length 3.2
  Bottom Layer w0.5: Q27.4@92.57,137.5 94.52,137.5 94.962,137.942 94.962,138.51 R89.2@94.962,138.6
NetQ28_4: Q28.4 R90.2 R147.2 | length 3.4
  Bottom Layer w0.5: R90.2@183.228,150.88 183.228,150.886 183.228,151.738 183.63,152.14 Q28.4@185.58,152.14
NetQ29_4: Q29.4 R91.2 | length 2
  Top Layer w0.5: Q29.4@92.57,141.31 94.14,141.31 94.415,141.035 v1@94.42,141.03
  other v1: 94.42,141.04
NetQ30_4: Q30.4 R92.2 | length 1.9
  Top Layer w0.5: v1@183.73,148.34 185.616,148.34 Q30.4@185.62,148.34
  other v1: 183.73,148.35
NetQ31_1: Q31.1 R23.1 | length 2.4
  Top Layer w0.2: R23.1@184.5,118.08 185.54,118.08 186.18,118.72 Q31.1@186.62,118.72
NetQ31_3: Q31.3 U29.- | length 7.8
  Top Layer w0.5: U29.-@184.46,111.95 184.46,112.85 189.12,117.51 Q31.3@189.12,117.77
NetR3_2: R3.2 U25.6 | length 2.3
  Top Layer w0.5: R3.2@98.725,125.165 U25.6@101.071,125.165
NetR8_2: R8.2 R9.2 U25.3 | length 10.8
  Top Layer w0.2: U25.3@106.429,125.165 108.065,125.165 108.84,125.94 108.84,130.6 108.29,131.15 R8.2@108.29,131.82
  Top Layer w0.5: R9.2@106.36,131.82 R8.2@108.29,131.82
NetR18_1: R18.1 U22.7 | length 2.4
  Top Layer w0.5: R18.1@146.605,190.835 U22.7@149.04,190.835
NetR22_1: R22.1 U22.4 | length 2.5
  Top Layer w0.5: U22.4@153.74,193.375 R22.1@156.285,193.375
NetR31_2: R31.2 R345.2 R346.2 | length 3.8
  Bottom Layer w0.5: R345.2@170.02,164.504 R31.2@170.02,168.33
NetR47_1: R47.1 U7.7
  other v1: 116.09,173.85
NetR48_1: R48.1 U7.5
  other v1: 118.6,173.85
NetR49_1: R49.1 U8.7
  other v1: 121.65,173.86
NetR50_1: R50.1 U8.5
  other v1: 124.21,173.84
NetR51_1: R51.1 U10.7
  other v1: 127.27,173.86
NetR52_1: R52.1 U10.5
  other v1: 129.79,173.84
NetR59_1: R59.1 U6.7
  other v1: 96.74,191.73
NetR60_1: R60.1 U9.7
  other v1: 181.55,181.84
NetR61_1: R61.1 U6.5
  other v1: 96.74,194.28
NetR62_1: R62.1 U9.5
  other v1: 181.54,179.29
NetR65_1: R65.1 U16.7
  other v1: 96.74,186.19
NetR66_1: R66.1 U11.7
  other v1: 181.54,187.39
NetR67_1: R67.1 U16.5
  other v1: 96.74,188.72
NetR68_1: R68.1 U11.5
  other v1: 181.55,184.85
NetR71_1: R71.1 U18.7
  other v1: 96.74,180.56
NetR72_1: R72.1 U13.7
  other v1: 181.6,193.01
NetR73_1: R73.1 U18.5
  other v1: 96.74,183.08
NetR74_1: R74.1 U13.5 | length 0.8
  Top Layer w0.4: U13.5@181.24,190.481 181.59,190.481 U13.5@182.031,190.481
  other v1: 181.59,190.47
NetR77_1: R77.1 U12.7
  other v1: 96.79,149.82
NetR78_1: R78.1 U15.7
  other v1: 181.49,139.72
NetR79_1: R79.1 U12.5
  other v1: 96.79,152.35
NetR80_1: R80.1 U15.5
  other v1: 181.46,137.19
NetR83_1: R83.1 U14.7
  other v1: 96.79,144.25
NetR84_1: R84.1 U17.7
  other v1: 181.49,145.29
NetR85_1: R85.1 U14.5
  other v1: 96.79,146.8
NetR86_1: R86.1 U17.5
  other v1: 181.45,142.79
NetR89_1: R89.1 U20.7
  other v1: 96.79,138.77
NetR90_1: R90.1 U19.7
  other v1: 181.54,150.87
NetR91_1: R91.1 U20.5
  other v1: 96.79,141.32
NetR92_1: R92.1 U19.5
  other v1: 181.51,148.33
NetR122_2: R122.2 S4.1 | length 4.4
  Bottom Layer w0.5: R122.2@123.05,141.9 124.52,141.9 125.55,140.87 S4.1@125.55,139.43
NetR333_1: R333.1 U22.2 | length 14.5
  Top Layer w0.5: R333.1@149.52,182.89 154.28,182.89 155.36,183.97 155.36,190.33 154.855,190.835 U22.2@153.74,190.835
NetR341_2: R341.2 U5.144 | length 45.5
  Top Layer w0.25: v1(129.24,160.83) 129.934,160.136 U5.144@129.934,159.369
  Top Layer w0.5: R341.2@161.89,171.604 v1(161.89,173.19)
  Bottom Layer w0.3: v1(129.24,160.83) 129.24,161.39 129.66,161.81 152.14,161.81 154.23,163.9 154.23,170.89 156.51,173.17 v1@161.89,173.17
NetR342_2: R342.2 U5.110 | length 10.4
  Top Layer w0.25: U5.110@146.934,159.369 146.934,160.324 146.934,164.784 149.342,167.192 R342.2@150.882,167.192
NetR343_2: R343.2 U5.111 | length 11.9
  Top Layer w0.25: U5.111@146.434,159.369 146.434,165.204 150.454,169.224 R343.2@150.882,169.224
O11: MOTOR_1.6 P5.6 P5.7 Q16.5 Q16.6 Q16.7 Q16.8 Q18.5 Q18.6 Q18.7 Q18.8 | length 31.8
  Top Layer w1.5: 201.26,186.3 v2(204.18,186.3)
  Bottom Layer w1: MOTOR_1.6@197.565,180.18 200.42,180.18 204.18,183.94 v2(204.18,186.3)
  Bottom Layer w1.2: v3@191.55,190.481 191.55,191.751 v3@191.55,194.291
  Bottom Layer w1.5: v3@191.55,191.751 195.25,188.051 195.25,181.61 196.675,180.185 MOTOR_1.6@197.56,180.185 MOTOR_1.6@197.565,180.18
  other v3: 191.54,190.481 191.54,191.751 191.54,193.021 191.54,194.291
O12: MOTOR_1.7 P5.8 P5.9 Q12.5 Q12.6 Q12.7 Q12.8 Q14.5 Q14.6 Q14.7 Q14.8 | length 37.4
  Top Layer w1.5: 201.24,188.29 v2@205.55,188.29
  Bottom Layer w1: MOTOR_1.7@197.56,177.645 202.855,177.645 205.58,180.37 v2@205.58,188.31
  Bottom Layer w1.2: v3(191.54,184.873) v3(191.54,186.143) ; v3(191.54,188.683) v3(191.54,187.413) v3(191.54,186.143) ; MOTOR_1.7@197.56,177.645 195.845,177.645 193.29,180.2 193.29,184.8 191.947,186.143 v3(191.54,186.143)
  other v2: 205.55,188.31
O13: MOTOR_1.8 P5.10 P5.11 Q8.5 Q8.6 Q8.7 Q8.8 Q10.5 Q10.6 Q10.7 Q10.8 | length 40
  Top Layer w1.5: 201.27,190.27 v2(207.07,190.27)
  Bottom Layer w1: MOTOR_1.8@197.56,175.105 203.315,175.105 207.07,178.86 v2(207.07,190.27)
  Bottom Layer w1.2: v3(191.54,179.303) 191.54,179.09 195.525,175.105 MOTOR_1.8@197.56,175.105 ; v3@191.55,179.303 v3@191.55,183.113
  other v3: 191.54,180.573 191.54,181.843 191.54,183.113
O21: MOTOR_2.6 P6.6 P6.7 Q15.5 Q15.6 Q15.7 Q15.8 Q17.5 Q17.6 Q17.7 Q17.8 | length 27.4
  Top Layer w0.8: v2(73.24,185.19) 77.23,185.19
  Bottom Layer w0.8: v2(73.24,185.19) 73.24,186.66 74.44,187.86 MOTOR_2.6@80.57,187.86 83.52,187.86 84.71,186.67 84.71,183.725 v3(86.61,181.825)
  Bottom Layer w1.2: v3(86.61,179.285) v3(86.61,180.555) v3(86.61,181.825) v3(86.61,183.095)
O22: MOTOR_2.7 P6.8 P6.9 Q11.5 Q11.6 Q11.7 Q11.8 Q13.5 Q13.6 Q13.7 Q13.8 | length 31.3
  Top Layer w0.8: v2(72.29,183.26) 72.31,183.28 77.2,183.28
  Bottom Layer w0.8: v2(72.29,183.26) 72.07,183.48 72.07,189.45 73.02,190.4 MOTOR_2.7@80.57,190.4 83.94,190.4 86.61,187.73 v3(86.61,187.461) v3@86.62,187.461
  Bottom Layer w1.2: v3@86.62,184.921 86.62,187.461 v3@86.62,188.731
  other v3: 86.61,184.921 86.61,186.191 86.61,188.731
O23: MOTOR_2.8 P6.10 P6.11 Q7.5 Q7.6 Q7.7 Q7.8 Q9.5 Q9.6 Q9.7 Q9.8 | length 36.6
  Top Layer w0.8: v2(71.53,181.28) 71.55,181.3 77.19,181.3
  Bottom Layer w0.8: v2(71.53,181.28) 70.86,181.95 70.86,191.13 72.67,192.94 MOTOR_2.8@80.57,192.94 85.413,192.94 v3(86.61,191.743) ; v3@86.583,190.5 v3(86.61,190.473)
  Bottom Layer w1.2: v3(86.61,190.473) v3(86.61,191.743) v3(86.61,193.013) v3(86.61,194.283)
O31: MOTOR_3.6 P7.6 P7.7 Q27.5 Q27.6 Q27.7 Q27.8 Q29.5 Q29.6 Q29.7 Q29.8 | length 28.4
  Top Layer w0.8: v2(73.24,136.01) 77.23,136.01
  Bottom Layer w0.8: v2(73.24,136.01) 73.24,141.61 74.41,142.78 79.94,142.78 MOTOR_3.6@80.57,142.15
  Bottom Layer w1.2: v3@86.66,137.495 v3@86.66,140.035 ; v3@86.66,140.037 v3@86.66,141.305
  Bottom Layer w1.5: MOTOR_3.6@80.57,142.15 84.545,142.15 v3@86.66,140.035
  other v3: 86.67,137.495 86.67,138.765 86.67,140.035 86.67,141.305
O32: MOTOR_3.7 P7.8 P7.9 Q23.5 Q23.6 Q23.7 Q23.8 Q25.5 Q25.6 Q25.7 Q25.8 | length 33.6
  Top Layer w0.8: v2(72.29,134.08) 72.31,134.1 77.2,134.1
  Bottom Layer w0.8: v2(72.29,134.08) 72.07,134.3 72.07,143.15 73.61,144.69 MOTOR_3.7@80.57,144.69
  Bottom Layer w1.2: v3(86.67,143.005) v3(86.67,144.275) v3(86.67,145.545) v3(86.67,146.815)
  Bottom Layer w1.5: MOTOR_3.7@80.57,144.69 85.11,144.69 86.56,146.14
O33: MOTOR_3.8 P7.10 P7.11 Q19.5 Q19.6 Q19.7 Q19.8 Q21.5 Q21.6 Q21.7 Q21.8 | length 40.5
  Top Layer w0.8: v2(71.53,132.1) 71.55,132.12 77.19,132.12
  Bottom Layer w0.8: v2(71.53,132.1) 70.86,132.77 70.86,145.05 73.04,147.23 MOTOR_3.8@80.57,147.23
  Bottom Layer w1.2: v3@86.66,148.561 86.66,149.831 v3@86.66,152.371
  Bottom Layer w1.5: MOTOR_3.8@80.57,147.23 84.059,147.23 v3@86.66,149.831 ; v3@86.66,148.561 v3(86.67,148.561)
  other v3: 86.67,149.831 86.67,151.101 86.67,152.371